# Altium PCB FlatSat.PcbDoc (part 12 of 12)
Units mil, origin at the board's own origin, x right, y up, seen from the top; angles counter-clockwise.
Board outline 4682 x 22047 mil, 4 copper layers (Top Layer, STR GND 1, STR GND 2, Bottom Layer), stack 33.434 mil thick; 381 components, 345 nets, 1605 pads, 1915 vias.
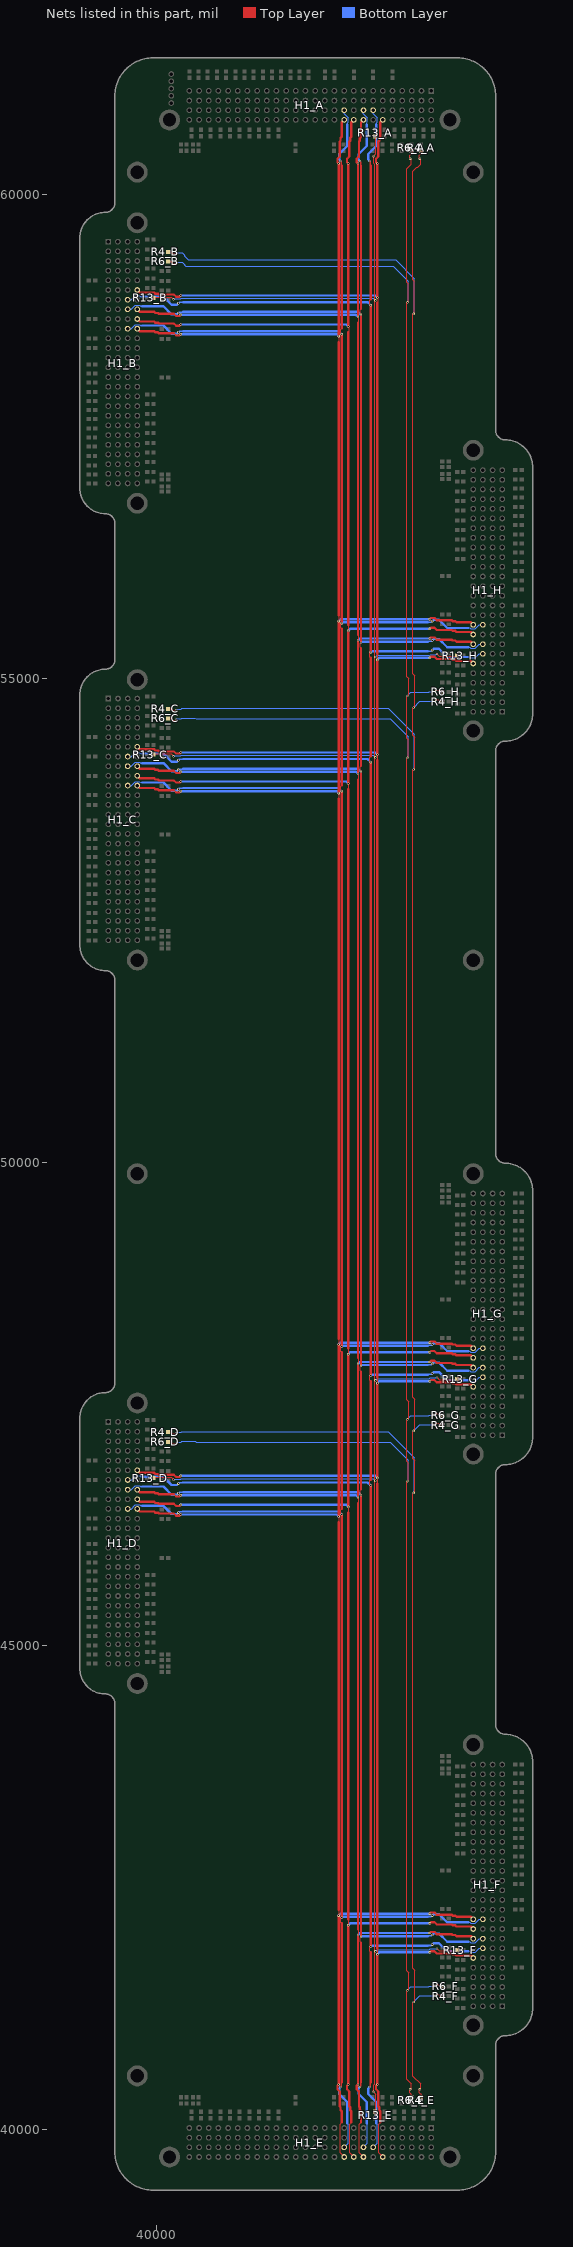
[diagram p14: the nets of this part, all layers, seen from the top]

## Via types
v1: diameter 24, hole 8, Top Layer to Bottom Layer, 1915 vias

## Nets (pads, with @x,y where several pads share a name; then routed paths per layer and width w, separated by ;. In a path a pad name is that pad's centre, name@x,y a point inside that pad or via, vN(x,y) a via of type N, cw(c..) or ccw(c..) an arc to the next point about the centre after c; other vN are vias at no path point) (continued)
SW4_BAT_2SMARD: H1_A.64 H1_B.64 H1_C.64 H1_D.64 H1_E.64 H1_F.64 H1_G.64 H1_H.64 | length 31776.4
  Top Layer w8: 42280,58884.75 42288,58892.75 v1@42288,58932 ; 42312,40069 42295.47,40052.47 42295.47,39753.53 H1_E.64@42337,39712
  Top Layer w12: v1@42279,41808 42286,41815 42286,41862 42280,41868 ; v1@42279,47713 42286,47720 42286,47767 42280,47773 ; v1@42279,55193 42286,55200 42286,55247 42280,55253 ; 42280,46675 42286,46681 42286,46729 v1(42280,46735) ; 42280,54155 42286,54161 42286,54209 v1(42280,54215)
  Top Layer w22: 40177,46766 40200,46743 40236.25,46743 v1@40248.13,46754.87 ; 40177,54246 40200,54223 40236.25,54223 v1@40248.13,54234.87 ; 40177,58971 40200,58948 40236.25,58948 v1@40248.13,58959.87 ; v1@42279.87,40461.13 42268,40449.25 42268,40413 42291,40390 ; v1@42279.87,60325.87 42268,60337.75 42268,60374 42291,60397 ; 42834.75,41840 42871,41840 42894,41817 ; 42834.75,47745 42871,47745 42894,47722 ; 42834.75,55225 42871,55225 42894,55202
  Top Layer w24: H1_D.64@39798,46812 39823,46787 39972,46787 39984,46775 40012.6,46775 40021.6,46766 40177,46766 ; H1_C.64@39798,54292 39823,54267 39972,54267 39984,54255 40012.6,54255 40021.6,54246 40177,54246 ; H1_B.64@39798,59017 39823,58992 39972,58992 39984,58980 40012.6,58980 40021.6,58971 40177,58971 ; v1(42280,40461) 42280,41792 ; 42280,41868 42280,46675 ; v1(42280,46735) v1(42280,47713) ; 42280,47773 42280,54155 ; v1(42280,54215) v1(42280,55193) ; 42280,55253 42280,58884.75 ; v1(42280,58940) v1(42280,60326) ; 42291,40390 42291,40234.6 42300,40225.6 42300,40197 42312,40185 42312,40069 ; 42291,60397 42291,60552.4 42300,60561.4 42300,60590 42312,60602 42312,60751 H1_A.64@42337,60776 ; 42894,41817 43049.4,41817 43058.4,41808 43087,41808 43099,41796 43248,41796 H1_F.64@43273,41771 ; 42894,47722 43049.4,47722 43058.4,47713 43087,47713 43099,47701 43248,47701 H1_G.64@43273,47676 ; 42894,55202 43049.4,55202 43058.4,55193 43087,55193 43099,55181 43248,55181 H1_H.64@43273,55156
  Bottom Layer w24: v1(40248,46755) 42260,46755 v1(42280,46735) ; v1(40248,54235) 42260,54235 v1(42280,54215) ; v1(40248,58960) 42260,58960 v1(42280,58940) ; v1(42280,41808) 42300,41828 v1(42823,41828) ; v1(42280,47713) 42300,47733 v1(42823,47733) ; v1(42280,55193) 42300,55213 v1(42823,55213)
SW5_5V_PL: H1_A.65 H1_B.65 H1_C.65 H1_D.65 H1_E.65 H1_F.65 H1_G.65 H1_H.65 | length 32694.2
  Top Layer w8: 42212,41829 42204,41837 42204,41880 v1(42212,41888) ; v1(42212,46655) 42204,46663 42204,46708 42212,46716 ; 42212,47734 42204,47742 42204,47785 v1(42212,47793) ; v1(42212,54135) 42204,54143 42204,54188 42212,54196 ; 42212,55214 42204,55222 42204,55265 v1(42212,55273) ; v1(42212,58860) 42204,58868 42204,58912 42212,58920
  Top Layer w16: v1(42200,40436) 42209,40445 42209,40475 42212,40478 42212,40483 ; v1(42200,60351) 42209,60342 42209,60312 42212,60309 42212,60304
  Top Layer w24: 42212,40483 42212,41829 ; v1(42212,41888) v1(42212,46655) ; 42212,46716 42212,47734 ; v1(42212,47793) v1(42212,54135) ; 42212,54196 42212,55214 ; v1(42212,55273) v1(42212,58860) ; 42212,58920 42212,60304
  Bottom Layer w8: H1_D.65@39698,46712 39735,46712 39777.53,46754.53 39823.47,46754.53 39833,46745 39848,46745 ; H1_C.65@39698,54192 39735,54192 39777.53,54234.53 39823.47,54234.53 39833,54225 39848,54225 ; H1_B.65@39698,58917 39735,58917 39776.53,58958.53 39824.47,58958.53 39833,58950 39848,58950 ; H1_E.65@42237,39812 42278.53,39853.53 42278.53,40052.47 42270,40061 ; H1_A.65@42237,60876 42237,60839 42278.53,60797.47 42278.53,60749.53 42270,60741 42270,60726 ; 43223,41838 43238,41838 43247.53,41828.47 43293.47,41828.47 43336,41871 H1_F.65@43373,41871 ; 43223,47743 43238,47743 43247.53,47733.47 43293.47,47733.47 43336,47776 H1_G.65@43373,47776 ; 43223,55223 43238,55223 43247.53,55213.47 43293.47,55213.47 43336,55256 H1_H.65@43373,55256
  Bottom Layer w16: v1(40223,46675) 40232,46684 40262,46684 ; v1(40223,54155) 40232,54164 40262,54164 ; v1(40223,58880) 40232,58889 40262,58889 ; 40265,46687 40270,46687 ; 40265,54167 40270,54167 ; 40265,58892 40270,58892 ; 42801,41896 42806,41896 ; 42801,47801 42806,47801 ; 42801,55281 42806,55281 ; 42809,41899 42839,41899 v1(42848,41908) ; 42809,47804 42839,47804 v1(42848,47813) ; 42809,55284 42839,55284 v1(42848,55293)
  Bottom Layer w22: 40208,46660 v1(40223,46675) ; 40208,54140 v1(40223,54155) ; 40208,58865 v1(40223,58880) ; 42185,40421 v1(42200,40436) ; 42185,60366 v1(42200,60351) ; v1(42848,41908) 42863,41923 ; v1(42848,47813) 42863,47828 ; v1(42848,55293) 42863,55308
  Bottom Layer w24: 39848,46745 40068,46745 40153,46660 40208,46660 ; 39848,54225 40068,54225 40153,54140 40208,54140 ; 39848,58950 40068,58950 40153,58865 40208,58865 ; 40270,46687 42180,46687 v1(42212,46655) ; 40270,54167 42180,54167 v1(42212,54135) ; 40270,58892 42180,58892 v1(42212,58860) ; 42185,40421 42185,40366 42270,40281 42270,40061 ; 42185,60366 42185,60421 42270,60506 42270,60726 ; v1(42212,41888) 42220,41896 42801,41896 ; v1(42212,47793) 42220,47801 42801,47801 ; v1(42212,55273) 42220,55281 42801,55281 ; 42863,41923 42918,41923 43003,41838 43223,41838 ; 42863,47828 42918,47828 43003,47743 43223,47743 ; 42863,55308 42918,55308 43003,55223 43223,55223
SW6_5V#1_ADCS: H1_A.67 H1_B.67 H1_C.67 H1_D.67 H1_E.67 H1_F.67 H1_G.67 H1_H.67 | length 32693.2
  Top Layer w8: 42112,41929 42104,41937 42104,41980 v1(42112,41988) ; v1(42112,46555) 42104,46563 42104,46608 42112,46616 ; 42112,47834 42104,47842 42104,47885 v1(42112,47893) ; v1(42112,54035) 42104,54043 42104,54088 42112,54096 ; 42112,55314 42104,55322 42104,55365 v1(42112,55373) ; v1(42112,58760) 42104,58768 42104,58812 42112,58820
  Top Layer w16: v1(42100,40436) 42109,40445 42109,40475 42112,40478 42112,40483 ; v1(42100,60351) 42109,60342 42109,60312 42112,60309 42112,60304
  Top Layer w24: 42112,40483 42112,41929 ; v1(42112,41988) v1(42112,46555) ; 42112,46616 42112,47833 ; v1(42112,47893) v1(42112,54035) ; 42112,54096 42112,55314 ; v1(42112,55373) v1(42112,58760) ; 42112,58820 42112,60304
  Bottom Layer w8: H1_D.67@39698,46612 39735,46612 39777.53,46654.53 39823.47,46654.53 39833,46645 39848,46645 ; H1_C.67@39698,54092 39735,54092 39777.53,54134.53 39823.47,54134.53 39833,54125 39848,54125 ; H1_B.67@39698,58817 39735,58817 39776.53,58858.53 39824.47,58858.53 39833,58850 39848,58850 ; H1_E.67@42137,39812 42178.53,39853.53 42178.53,40052.47 42170,40061 ; H1_A.67@42137,60876 42137,60839 42178.53,60797.47 42178.53,60749.53 42170,60741 42170,60726 ; 43223,41938 43238,41938 43247.53,41928.47 43293.47,41928.47 43336,41971 H1_F.67@43373,41971 ; 43223,47843 43238,47843 43247.53,47833.47 43293.47,47833.47 43336,47876 H1_G.67@43373,47876 ; 43223,55323 43238,55323 43247.53,55313.47 43293.47,55313.47 43336,55356 H1_H.67@43373,55356
  Bottom Layer w16: v1(40223,46575) 40232,46584 40262,46584 ; v1(40223,54055) 40232,54064 40262,54064 ; v1(40223,58780) 40232,58789 40262,58789 ; 40265,46587 40270,46587 ; 40265,54067 40270,54067 ; 40265,58792 40270,58792 ; 42801,41996 42806,41996 ; 42801,47901 42806,47901 ; 42801,55381 42806,55381 ; 42809,41999 42839,41999 v1(42848,42008) ; 42809,47904 42839,47904 v1(42848,47913) ; 42809,55384 42839,55384 v1(42848,55393)
  Bottom Layer w22: 40208,46560 v1(40223,46575) ; 40208,54040 v1(40223,54055) ; 40208,58765 v1(40223,58780) ; 42085,40421 v1(42100,40436) ; 42085,60366 v1(42100,60351) ; v1(42848,42008) 42863,42023 ; v1(42848,47913) 42863,47928 ; v1(42848,55393) 42863,55408
  Bottom Layer w24: 39848,46645 40068,46645 40153,46560 40208,46560 ; 39848,54125 40068,54125 40153,54040 40208,54040 ; 39848,58850 40068,58850 40153,58765 40208,58765 ; 40270,46587 42080,46587 v1(42112,46555) ; 40270,54067 42080,54067 v1(42112,54035) ; 40270,58792 42080,58792 v1(42112,58760) ; 42085,40421 42085,40366 42170,40281 42170,40061 ; 42085,60366 42085,60421 42170,60506 42170,60726 ; v1(42112,41988) 42120,41996 42801,41996 ; v1(42112,47893) 42120,47901 42801,47901 ; v1(42112,55373) 42120,55381 42801,55381 ; 42863,42023 42918,42023 43003,41938 43223,41938 ; 42863,47928 42918,47928 43003,47843 43223,47843 ; 42863,55408 42918,55408 43003,55323 43223,55323
SW7_5V#2_ADCS: H1_A.68 H1_B.68 H1_C.68 H1_D.68 H1_E.68 H1_F.68 H1_G.68 H1_H.68 | length 31851.2
  Top Layer w8: 42112,40069 42095.47,40052.47 42095.47,39753.53 H1_E.68@42137,39712
  Top Layer w12: v1(42080,42008) 42086,42014 42086,42062 42080,42068 ; 42080,46475 42086,46481 42086,46529 v1(42080,46535) ; v1(42080,47913) 42086,47919 42086,47967 42080,47973 ; 42080,53955 42086,53961 42086,54009 v1(42080,54015) ; v1(42080,55393) 42086,55399 42086,55447 42080,55453 ; 42080,58680 42086,58686 42086,58734 v1(42080,58740)
  Top Layer w22: 40177,46566 40200,46543 40236.25,46543 v1@40248.13,46554.87 ; 40177,54046 40200,54023 40236.25,54023 v1@40248.13,54034.87 ; 40177,58771 40200,58748 40236.25,58748 v1@40248.13,58759.87 ; v1@42079.87,40461.13 42068,40449.25 42068,40413 42091,40390 ; v1@42079.87,60325.87 42068,60337.75 42068,60374 42091,60397 ; v1@42822.87,42028.13 42834.75,42040 42871,42040 42894,42017 ; v1@42822.87,47933.13 42834.75,47945 42871,47945 42894,47922 ; v1@42822.87,55413.13 42834.75,55425 42871,55425 42894,55402
  Top Layer w24: H1_D.68@39798,46612 39823,46587 39972,46587 39984,46575 40012.6,46575 40021.6,46566 40177,46566 ; H1_C.68@39798,54092 39823,54067 39972,54067 39984,54055 40012.6,54055 40021.6,54046 40177,54046 ; H1_B.68@39798,58817 39823,58792 39972,58792 39984,58780 40012.6,58780 40021.6,58771 40177,58771 ; v1(42080,40461) v1(42080,42008) ; 42080,42068 42080,46475 ; v1(42080,46535) v1(42080,47913) ; 42080,47973 42080,53955 ; v1(42080,54015) v1(42080,55393) ; 42080,55453 42080,58680 ; v1(42080,58740) v1(42080,60326) ; 42091,40390 42091,40234.6 42100,40225.6 42100,40197 42112,40185 42112,40069 ; 42091,60397 42091,60552.4 42100,60561.4 42100,60590 42112,60602 42112,60751 H1_A.68@42137,60776 ; 42894,42017 43049.4,42017 43058.4,42008 43087,42008 43099,41996 43248,41996 H1_F.68@43273,41971 ; 42894,47922 43049.4,47922 43058.4,47913 43087,47913 43099,47901 43248,47901 H1_G.68@43273,47876 ; 42894,55402 43049.4,55402 43058.4,55393 43087,55393 43099,55381 43248,55381 H1_H.68@43273,55356
  Bottom Layer w24: v1(40248,46555) 42060,46555 v1(42080,46535) ; v1(40248,54035) 42060,54035 v1(42080,54015) ; v1(40248,58760) 42060,58760 v1(42080,58740) ; v1(42080,42008) 42100,42028 v1(42823,42028) ; v1(42080,47913) 42100,47933 v1(42823,47933) ; v1(42080,55393) 42100,55413 v1(42823,55413)
SW8_3V3_THM: H1_A.70 H1_B.70 H1_C.70 H1_D.70 H1_E.70 H1_F.70 H1_G.70 H1_H.70 | length 31841.5
  Top Layer w8: 41980,58580 41988,58588 v1@41988,58632 ; 42012,40069 41995.47,40052.47 41995.47,39753.53 H1_E.70@42037,39712
  Top Layer w12: v1(41980,42108) 41986,42114 41986,42162 41980,42168 ; 41980,46375 41986,46381 41986,46429 v1(41980,46435) ; v1(41980,48013) 41986,48019 41986,48067 41980,48073 ; 41980,53855 41986,53861 41986,53909 v1(41980,53915) ; v1(41980,55493) 41986,55499 41986,55547 41980,55553
  Top Layer w22: 40177,46466 40200,46443 40236.25,46443 v1@40248.13,46454.87 ; 40177,53946 40200,53923 40236.25,53923 v1@40248.13,53934.87 ; 40177,58671 40200,58648 40236.25,58648 v1@40248.13,58659.87 ; v1@41979.87,40461.13 41968,40449.25 41968,40413 41991,40390 ; v1@41979.87,60325.87 41968,60337.75 41968,60374 41991,60397 ; v1@42822.87,42128.13 42834.75,42140 42871,42140 42894,42117 ; v1@42822.87,48033.13 42834.75,48045 42871,48045 42894,48022 ; v1@42822.87,55513.13 42834.75,55525 42871,55525 42894,55502
  Top Layer w24: H1_D.70@39798,46512 39823,46487 39972,46487 39984,46475 40012.6,46475 40021.6,46466 40177,46466 ; H1_C.70@39798,53992 39823,53967 39972,53967 39984,53955 40012.6,53955 40021.6,53946 40177,53946 ; H1_B.70@39798,58717 39823,58692 39972,58692 39984,58680 40012.6,58680 40021.6,58671 40177,58671 ; v1@41979.87,40461.13 41980,40461.25 v1(41980,42108) ; 41980,42168 41980,46375 ; v1(41980,46435) v1(41980,48013) ; 41980,48073 41980,53855 ; v1(41980,53915) v1(41980,55493) ; 41980,55553 41980,58580 ; v1(41980,58640) v1(41980,60326) ; 41991,40390 41991,40234.6 42000,40225.6 42000,40197 42012,40185 42012,40069 ; 41991,60397 41991,60552.4 42000,60561.4 42000,60590 42012,60602 42012,60751 H1_A.70@42037,60776 ; 42894,42117 43049.4,42117 43058.4,42108 43087,42108 43099,42096 43248,42096 H1_F.70@43273,42071 ; 42894,48022 43049.4,48022 43058.4,48013 43087,48013 43099,48001 43248,48001 H1_G.70@43273,47976 ; 42894,55502 43049.4,55502 43058.4,55493 43087,55493 43099,55481 43248,55481 H1_H.70@43273,55456
  Bottom Layer w24: v1(40248,46455) 41960,46455 v1(41980,46435) ; v1(40248,53935) 41960,53935 v1(41980,53915) ; v1(40248,58660) 41960,58660 v1(41980,58640) ; v1(41980,42108) 42000,42128 v1(42823,42128) ; v1(41980,48013) 42000,48033 v1(42823,48033) ; v1(41980,55493) 42000,55513 v1(42823,55513)
  other v1: 41980,40461
SW9_3V3#1_ADCS: H1_A.71 H1_B.71 H1_C.71 H1_D.71 H1_E.71 H1_F.71 H1_G.71 H1_H.71 | length 32694.2
  Top Layer w8: 41912,42128 41904,42136 41904,42180 v1(41912,42188) ; v1(41912,46355) 41904,46363 41904,46407 41912,46415 ; 41912,48033 41904,48041 41904,48085 v1(41912,48093) ; v1(41912,53835) 41904,53843 41904,53887 41912,53895 ; 41912,55513 41904,55521 41904,55565 v1(41912,55573) ; v1(41912,58560) 41904,58568 41904,58612 41912,58620
  Top Layer w16: v1(41900,40436) 41909,40445 41909,40475 41912,40478 41912,40483 ; v1(41900,60351) 41909,60342 41909,60312 41912,60309 41912,60304
  Top Layer w24: 41912,40483 41912,42128 ; v1(41912,42188) v1(41912,46355) ; 41912,46415 41912,48033 ; v1(41912,48093) v1(41912,53835) ; 41912,53895 41912,55513 ; v1(41912,55573) v1(41912,58560) ; 41912,58620 41912,60304
  Bottom Layer w8: H1_D.71@39698,46412 39735,46412 39777.53,46454.53 39823.47,46454.53 39833,46445 39848,46445 ; H1_C.71@39698,53892 39735,53892 39777.53,53934.53 39823.47,53934.53 39833,53925 39848,53925 ; H1_B.71@39698,58617 39735,58617 39776.53,58658.53 39824.47,58658.53 39833,58650 39848,58650 ; H1_E.71@41937,39812 41978.53,39853.53 41978.53,40052.47 41970,40061 ; H1_A.71@41937,60876 41937,60839 41978.53,60797.47 41978.53,60749.53 41970,60741 41970,60726 ; 43223,42138 43238,42138 43247.53,42128.47 43293.47,42128.47 43336,42171 H1_F.71@43373,42171 ; 43223,48043 43238,48043 43247.53,48033.47 43293.47,48033.47 43336,48076 H1_G.71@43373,48076 ; 43223,55523 43238,55523 43247.53,55513.47 43293.47,55513.47 43336,55556 H1_H.71@43373,55556
  Bottom Layer w16: v1(40223,46375) 40232,46384 40262,46384 ; v1(40223,53855) 40232,53864 40262,53864 ; v1(40223,58580) 40232,58589 40262,58589 ; 40265,46387 40270,46387 ; 40265,53867 40270,53867 ; 40265,58592 40270,58592 ; 42801,42196 42806,42196 ; 42801,48101 42806,48101 ; 42801,55581 42806,55581 ; 42809,42199 42839,42199 v1(42848,42208) ; 42809,48104 42839,48104 v1(42848,48113) ; 42809,55584 42839,55584 v1(42848,55593)
  Bottom Layer w22: 40208,46360 v1(40223,46375) ; 40208,53840 v1(40223,53855) ; 40208,58565 v1(40223,58580) ; 41885,40421 v1(41900,40436) ; 41885,60366 v1(41900,60351) ; v1(42848,42208) 42863,42223 ; v1(42848,48113) 42863,48128 ; v1(42848,55593) 42863,55608
  Bottom Layer w24: 39848,46445 40068,46445 40153,46360 40208,46360 ; 39848,53925 40068,53925 40153,53840 40208,53840 ; 39848,58650 40068,58650 40153,58565 40208,58565 ; 40270,46387 41880,46387 v1(41912,46355) ; 40270,53867 41880,53867 v1(41912,53835) ; 40270,58592 41880,58592 v1(41912,58560) ; 41885,40421 41885,40366 41970,40281 41970,40061 ; 41885,60366 41885,60421 41970,60506 41970,60726 ; v1(41912,42188) 41920,42196 42801,42196 ; v1(41912,48093) 41920,48101 42801,48101 ; v1(41912,55573) 41920,55581 42801,55581 ; 42863,42223 42918,42223 43003,42138 43223,42138 ; 42863,48128 42918,48128 43003,48043 43223,48043 ; 42863,55608 42918,55608 43003,55523 43223,55523
SW10_3V3#2_ADCS: H1_A.72 H1_B.72 H1_C.72 H1_D.72 H1_E.72 H1_F.72 H1_G.72 H1_H.72 | length 31852.9
  Top Layer w8: 41880,58480 41888,58488 41888,58532 v1(41880,58540) ; 41912,40069 41895.47,40052.47 41895.47,39753.53 H1_E.72@41937,39712
  Top Layer w12: v1(41880,42208) 41886,42214 41886,42262 41880,42268 ; 41880,46275 41886,46281 41886,46329 v1(41880,46335) ; v1(41880,48113) 41886,48119 41886,48167 41880,48173 ; 41880,53755 41886,53761 41886,53809 v1(41880,53815) ; v1(41880,55593) 41886,55599 41886,55647 41880,55653
  Top Layer w22: 40177,46366 40200,46343 40236.25,46343 v1@40248.13,46354.87 ; 40177,53846 40200,53823 40236.25,53823 v1@40248.13,53834.87 ; 40177,58571 40200,58548 40236.25,58548 v1@40248.13,58559.87 ; v1@41879.87,40461.13 41868,40449.25 41868,40413 41891,40390 ; v1@41879.87,60325.87 41868,60337.75 41868,60374 41891,60397 ; v1@42822.87,42228.13 42834.75,42240 42871,42240 42894,42217 ; v1@42822.87,48133.13 42834.75,48145 42871,48145 42894,48122 ; v1@42822.87,55613.13 42834.75,55625 42871,55625 42894,55602
  Top Layer w24: H1_D.72@39798,46412 39823,46387 39972,46387 39984,46375 40012.6,46375 40021.6,46366 40177,46366 ; H1_C.72@39798,53892 39823,53867 39972,53867 39984,53855 40012.6,53855 40021.6,53846 40177,53846 ; H1_B.72@39798,58617 39823,58592 39972,58592 39984,58580 40012.6,58580 40021.6,58571 40177,58571 ; v1(41880,40461) v1(41880,42208) ; 41880,42268 41880,46275 ; v1(41880,46335) v1(41880,48113) ; 41880,48173 41880,53755 ; v1(41880,53815) v1(41880,55593) ; 41880,55653 41880,58480 ; v1(41880,58540) v1(41880,60326) ; 41891,40390 41891,40234.6 41900,40225.6 41900,40197 41912,40185 41912,40069 ; 41891,60397 41891,60552.4 41900,60561.4 41900,60590 41912,60602 41912,60751 H1_A.72@41937,60776 ; 42894,42217 43049.4,42217 43058.4,42208 43087,42208 43099,42196 43248,42196 H1_F.72@43273,42171 ; 42894,48122 43049.4,48122 43058.4,48113 43087,48113 43099,48101 43248,48101 H1_G.72@43273,48076 ; 42894,55602 43049.4,55602 43058.4,55593 43087,55593 43099,55581 43248,55581 H1_H.72@43273,55556
  Bottom Layer w24: v1(40248,46355) 41860,46355 v1(41880,46335) ; v1(40248,53835) 41860,53835 v1(41880,53815) ; v1(40248,58560) 41860,58560 v1(41880,58540) ; v1(41880,42208) 41900,42228 v1(42823,42228) ; v1(41880,48113) 41900,48133 v1(42823,48133) ; v1(41880,55593) 41900,55613 v1(42823,55613)
THERMAL_DQ: R13_A.1 R13_B.1 R13_C.1 R13_D.1 R13_E.1 R13_F.1 R13_G.1 R13_H.1 | length 30083.6
  Top Layer w8: R13_D.1@39965.48,46732 39965.48,46739.67 40148.33,46739.67 v1(40173,46715) ; R13_C.1@39965.48,54212 39965.48,54219.67 40148.33,54219.67 v1(40173,54195) ; R13_B.1@39965.48,58937 39965.48,58944.67 40148.33,58944.67 v1(40173,58920) ; R13_E.1@42257,40178.48 42264.67,40178.48 42264.67,40361.33 v1(42240,40386) 42240,40395 42245,40400 42245,40458.78 42253,40466.78 42253,60320.22 42245,60328.22 42245,60387 42240,60392 v1(42240,60401) 42264.67,60425.67 42264.67,60608.52 R13_A.1@42257,60608.52 ; v1(42898,41868) 42922.67,41843.33 43105.52,41843.33 R13_F.1@43105.52,41851 ; v1(42898,47773) 42922.67,47748.33 43105.52,47748.33 R13_G.1@43105.52,47756 ; v1(42898,55253) 42922.67,55228.33 43105.52,55228.33 R13_H.1@43105.52,55236
  Bottom Layer w8: v1(40173,46715) 40182,46715 40187,46720 40245.78,46720 40252.78,46727 42238,46727 v1(42260,46705) ; v1(40173,54195) 40182,54195 40187,54200 40245.78,54200 40252.78,54207 42238,54207 v1(42260,54185) ; v1(40173,58920) 40182,58920 40187,58925 40245.78,58925 40252.78,58932 42238,58932 v1(42260,58910) ; v1(42260,41838) 42278,41856 42818.22,41856 42825.22,41863 42884,41863 42889,41868 v1(42898,41868) ; v1(42260,47743) 42278,47761 42818.22,47761 42825.22,47768 42884,47768 42889,47773 v1(42898,47773) ; v1(42260,55223) 42278,55241 42818.22,55241 42825.22,55248 42884,55248 42889,55253 v1(42898,55253)
UART_CDH_RX: R4_A.2 R4_B.2 R4_C.2 R4_D.2 R4_E.2 R4_F.2 R4_G.2 R4_H.2 | length 30440.3
  Top Layer w8: R4_D.2@40117.15,47207 R4_D.2@40117.48,47207 40146,47207 40163,47190 40193,47190 v1(40198,47195) ; R4_C.2@40117.15,54687 R4_C.2@40117.48,54687 40146,54687 40163,54670 40193,54670 v1(40198,54675) ; R4_B.2@40117.15,59412 R4_B.2@40117.48,59412 40146,59412 40163,59395 40193,59395 v1(40198,59400) ; v1(42656,58770) 42648,58770 42648,55046.96 42667.25,55027.71 42667.25,54711.25 v1(42656,54700) 42648,54692 42648,54412 42665,54395 42665,54069 v1(42656,54060) 42648,54052 42648,47566.96 42667.25,47547.71 42667.25,47231.25 v1(42656,47220) 42648,47212 42648,46932 42665,46915 42665,46589 v1(42656,46580) 42648,46572 42648,41661.96 42667.25,41642.71 42667.25,41326.25 v1(42656,41315) 42648,41307 42648,40549.57 42729,40468.57 42729,40420 v1(42720,40411) 42715,40406 42715,40376 42732,40359 R4_E.2@42732,40330.48 ; v1@42664,58770 42664,59106.02 42648,59122.02 42648,60244.12 42689.88,60286 42696.57,60286 42729,60318.43 42729,60367 v1(42720,60376) 42715,60381 42715,60411 42732,60428 R4_A.2@42732,60456.52 R4_A.2@42732,60456.85 ; v1(42873,41388) 42878,41393 42908,41393 42925,41376 R4_F.2@42953.52,41376 R4_F.2@42953.85,41376 ; v1(42873,47293) 42878,47298 42908,47298 42925,47281 R4_G.2@42953.52,47281 R4_G.2@42953.85,47281 ; v1(42873,54773) 42878,54778 42908,54778 42925,54761 R4_H.2@42953.52,54761 R4_H.2@42953.85,54761
  Bottom Layer w8: v1(40198,47195) 40207,47204 40252.41,47204 40259.41,47211 42395.65,47211 42664,46942.65 42664,46591 v1@42655,46582 ; v1(40198,54675) 40207,54684 40252.41,54684 40259.41,54691 42395.65,54691 42664,54422.65 42664,54071 v1@42655,54062 ; v1(40198,59400) 40202,59404 40260.57,59404 40288,59376.57 40288,59367.08 40327.08,59328 42469.59,59328 42664,59133.59 v1@42664,58770 ; v1(42656,41315) 42720,41379 42864,41379 v1(42873,41388) ; v1(42656,47220) 42720,47284 42864,47284 v1(42873,47293) ; v1(42656,54700) 42720,54764 42864,54764 v1(42873,54773)
UART_CDH_TX: R6_A.2 R6_B.2 R6_C.2 R6_D.2 R6_E.2 R6_F.2 R6_G.2 R6_H.2 | length 29833.5
  Top Layer w8: R6_B.2@40117.15,59312 R6_B.2@40117.48,59312 40146,59312 40163,59295 40193,59295 v1(40198,59300) ; R6_D.2@40117.48,47107 40146,47107 40163,47090 40193,47090 v1(40198,47095) ; R6_C.2@40117.48,54587 40146,54587 40163,54570 40193,54570 v1(40198,54575) ; v1(42592,58890) 42584,58890 42584,55020.45 42603.25,55001.2 42603.25,54831.25 v1(42592,54820) 42584,54812 42584,54383.75 42601,54366.75 42601,54189 42584,54172 42584,47540.45 42603.25,47521.2 42603.25,47351.25 v1(42592,47340) 42584,47332 42584,46903.75 42601,46886.75 42601,46709 42584,46692 42584,41635.45 42603.25,41616.2 42603.25,41446.25 v1(42592,41435) 42584,41427 42584,40514.88 42629,40469.88 42629,40420 v1(42620,40411) 42615,40406 42615,40376 42632,40359 R6_E.2@42632,40330.48 ; v1@42600,58890 42600,59079.51 42584,59095.51 42584,60272.12 42629,60317.12 42629,60367 v1(42620,60376) 42615,60381 42615,60411 42632,60428 R6_A.2@42632,60456.52 R6_A.2@42632,60456.85 ; v1(42873,41488) 42878,41493 42908,41493 42925,41476 R6_F.2@42953.52,41476 R6_F.2@42953.85,41476 ; v1(42873,47393) 42878,47398 42908,47398 42925,47381 R6_G.2@42953.52,47381 R6_G.2@42953.85,47381 ; v1(42873,54873) 42878,54878 42908,54878 42925,54861 R6_H.2@42953.52,54861 R6_H.2@42953.85,54861
  Bottom Layer w8: v1(40198,47095) 40207,47104 40252.41,47104 40259.41,47111 40398,47111 40406,47103 42413.14,47103 42600,46916.14 v1@42600,46704 ; v1(40198,54575) 40207,54584 40252.41,54584 40259.41,54591 40398,54591 40406,54583 42413.14,54583 42600,54396.14 v1@42600,54184 ; v1(40198,59300) 40202,59304 40260.57,59304 40288,59276.57 40288,59274.63 40298.63,59264 42443.08,59264 42600,59107.08 42600,58891 v1@42599,58890 ; v1@42592,41436 42628,41472 42811.59,41472 42818.59,41479 42864,41479 v1(42873,41488) ; v1@42592,47341 42628,47377 42811.59,47377 42818.59,47384 42864,47384 v1(42873,47393) ; v1@42592,54821 42628,54857 42811.59,54857 42818.59,54864 42864,54864 v1(42873,54873)
  other v1: 42592,46700 42592,54180

## Polygon pours and split planes (outlines as drawn)
STR_GND_A on STR GND 1 "STR GND 1 Plane " (solid, remove dead copper, pour order 2): 39205,61417.32 39205,39370.08 43887,39370.08 43887,61417
STR_GND_A on STR GND 2 "STR GND 2 Plane " (solid, remove dead copper, pour order 4): 39205,61417 43887,61417 43887,39370 39205,39370 39205,61417

## Silkscreen, mask and mechanical layers (free items; w line width, h text height)
Top Overlay:
  drawing of 46 lines, arcs and shapes, not listed
  text "SPI End / Termination" at 39900,61325 h60 r270
  text "51" at 40202,60664 h50 r270
  text "52" at 40155,60584 h50 r270
  text "103" at 40110,60486 h50 r270
  text "1" at 42935,60412 h47 r270
  text "2" at 42896,60364 h47 r270
  text "104" at 40059,60353 h50 r270
  text "49" at 40404,60314 h47 r270
  text "53" at 42854,60306 h47 r270
  text "47" at 40492,60283 h47 r270
  text "45" at 40592,60283 h47 r270
  text "43" at 40692,60283 h47 r270
  text "41" at 40792,60283 h47 r270
  text "39" at 40892,60283 h47 r270
  text "37" at 40992,60283 h47 r270
  text "35" at 41092,60283 h47 r270
  text "33" at 41192,60283 h47 r270
  text "31" at 41292,60283 h47 r270
  text "29" at 41392,60283 h47 r270
  text "27" at 41492,60283 h47 r270
  text "25" at 41592,60283 h47 r270
  text "23" at 41692,60283 h47 r270
  text "21" at 41792,60283 h47 r270
  text "19" at 41892,60283 h47 r270
  text "17" at 41992,60283 h47 r270
  text "15" at 42092,60283 h47 r270
  text "13" at 42192,60283 h47 r270
  text "11" at 42292,60283 h47 r270
  text "9" at 42392,60283 h47 r270
  text "7" at 42492,60283 h47 r270
  text "5" at 42592,60283 h47 r270
  text "3" at 42692,60283 h47 r270
  text "54" at 42785,60243 h47 r270
  text "EPS" at 41501,60043 h90
  text "1" at 40162,59615 h47
  text "2" at 40210,59576 h47
  text "53" at 40268,59534 h47
  text "54" at 40331,59465 h47
  text "3" at 40291,59372 h47
  text "5" at 40291,59272 h47
  text "7" at 40291,59172 h47
  text "9" at 40291,59072 h47
  text "11" at 40291,58972 h47
  text "13" at 40291,58872 h47
  text "15" at 40291,58772 h47
  text "17" at 40291,58672 h47
  text "19" at 40291,58572 h47
  text "21" at 40291,58472 h47
  text "23" at 40291,58372 h47
  text "25" at 40291,58272 h47
  text "FlatSat PCB Halve 1 rev. 1 / 2016-12-11 MOVE-II / WARR LRT Jonis Kiesbye / Redmine Wiki:  /FlatSat" at 43350,58200 h60 r90
  text "27" at 40291,58172 h47
  text "29" at 40291,58072 h47
  text "31" at 40291,57972 h47
  text "Reserve" at 40524,57961 h90 r90
  text "33" at 40291,57872 h47
  text "35" at 40291,57772 h47
  text "37" at 40291,57672 h47
  text "39" at 40291,57572 h47
  text "41" at 40291,57472 h47
  text "43" at 40291,57372 h47
  text "104" at 42709,57356 h50
  text "103" at 42846,57317 h50
  text "52" at 42988,57287 h50
  text "45" at 40291,57272 h47
  text "51" at 43090,57243 h50
  text "47" at 40291,57172 h47
  text "49" at 40260,57084 h47
  text "49" at 42704,57082 h47
  text "47" at 42701,56995 h47
  text "45" at 42701,56895 h47
  text "51" at 39910,56882 h50
  text "52" at 39990,56835 h50
  text "43" at 42701,56795 h47
  text "103" at 40088,56790 h50
  text "104" at 40221,56739 h50
  text "41" at 42701,56695 h47
  text "39" at 42701,56595 h47
  text "37" at 42701,56495 h47
  text "35" at 42701,56395 h47
  text "33" at 42701,56295 h47
  text "Toppanel" at 42468,56206 h90 r270
  text "31" at 42701,56195 h47
  text "29" at 42701,56095 h47
  text "27" at 42701,55995 h47
  text "25" at 42701,55895 h47
  text "23" at 42701,55795 h47
  text "21" at 42701,55695 h47
  text "19" at 42701,55595 h47
  text "17" at 42701,55495 h47
  text "15" at 42701,55395 h47
  text "13" at 42701,55295 h47
  text "11" at 42711,55195 h47
  text "9" at 42727,55095 h47
  text "7" at 42726,54995 h47
  text "5" at 42723,54895 h47
  text "1" at 40162,54890 h47
  text "2" at 40210,54851 h47
  text "53" at 40268,54809 h47
  text "3" at 42721,54798 h47
  text "54" at 40331,54740 h47
  text "54" at 42710,54655 h47
  text "3" at 40291,54647 h47
  text "53" at 42752,54589 h47
  text "2" at 42844,54556 h47
  text "5" at 40291,54547 h47
  text "1" at 42896,54527 h47
  text "7" at 40291,54447 h47
  text "9" at 40291,54347 h47
  text "11" at 40291,54247 h47
  text "13" at 40291,54147 h47
  text "15" at 40291,54047 h47
  text "17" at 40291,53947 h47
  text "19" at 40291,53847 h47
  text "21" at 40291,53747 h47
  text "23" at 40291,53647 h47
  text "25" at 40291,53547 h47
  text "27" at 40291,53447 h47
  text "29" at 40291,53347 h47
  text "31" at 40291,53247 h47
  text "UHF/VHF" at 40524,53236 h90 r90
  text "33" at 40291,53147 h47
  text "35" at 40291,53047 h47
  text "37" at 40291,52947 h47
  text "39" at 40291,52847 h47
  text "41" at 40291,52747 h47
  text "43" at 40291,52647 h47
  text "45" at 40291,52547 h47
  text "47" at 40291,52447 h47
  text "49" at 40260,52359 h47
  text "51" at 39910,52157 h50
  text "52" at 39990,52110 h50
  text "103" at 40088,52065 h50
  text "104" at 40221,52014 h50
  text "104" at 42709,49876 h50
  text "103" at 42846,49837 h50
  text "52" at 42988,49807 h50
  text "51" at 43090,49763 h50
  text "49" at 42704,49602 h47
  text "47" at 42701,49515 h47
  text "45" at 42701,49415 h47
  text "43" at 42701,49315 h47
  text "41" at 42701,49215 h47
  text "39" at 42701,49115 h47
  text "37" at 42701,49015 h47
  text "35" at 42701,48915 h47
  text "33" at 42701,48815 h47
  text "31" at 42701,48715 h47
  text "29" at 42701,48615 h47
  text "CDH" at 42479,48608 h90 r270
  text "27" at 42701,48515 h47
  text "25" at 42701,48415 h47
  text "23" at 42701,48315 h47
  text "21" at 42701,48215 h47
  text "19" at 42701,48115 h47
  text "17" at 42701,48015 h47
  text "15" at 42701,47915 h47
  text "13" at 42701,47815 h47
  text "11" at 42711,47715 h47
  text "9" at 42727,47615 h47
  text "7" at 42726,47515 h47
  text "5" at 42723,47415 h47
  text "1" at 40162,47410 h47
  text "2" at 40210,47371 h47
  text "53" at 40268,47329 h47
  text "3" at 42721,47318 h47
  text "54" at 40331,47260 h47
  text "54" at 42710,47175 h47
  text "3" at 40291,47167 h47
  text "53" at 42752,47109 h47
  text "2" at 42844,47076 h47
  text "5" at 40291,47067 h47
  text "1" at 42896,47047 h47
  text "7" at 40291,46967 h47
  text "9" at 40291,46867 h47
  text "11" at 40291,46767 h47
  text "13" at 40291,46667 h47
  text "15" at 40291,46567 h47
  text "17" at 40291,46467 h47
  text "19" at 40291,46367 h47
  text "21" at 40291,46267 h47
  text "23" at 40291,46167 h47
  text "25" at 40291,46067 h47
  text "27" at 40291,45967 h47
  text "29" at 40291,45867 h47
  text "31" at 40291,45767 h47
  text "ADCS" at 40524,45756 h90 r90
  text "33" at 40291,45667 h47
  text "35" at 40291,45567 h47
  text "37" at 40291,45467 h47
  text "39" at 40291,45367 h47
  text "41" at 40291,45267 h47
  text "43" at 40291,45167 h47
  text "45" at 40291,45067 h47
  text "47" at 40291,44967 h47
  text "49" at 40260,44879 h47
  text "FlatSat PCB Halve 2 rev. 1 / 2016-12-11 MOVE-II / WARR LRT Jonis Kiesbye / Redmine Wiki:  /FlatSat" at 43350,44750 h60 r90
  text "51" at 39910,44677 h50
  text "52" at 39990,44630 h50
  text "103" at 40088,44585 h50
  text "104" at 40221,44534 h50
  text "104" at 42709,43971 h50
  text "103" at 42846,43932 h50
  text "52" at 42988,43902 h50
  text "51" at 43090,43858 h50
  text "49" at 42704,43697 h47
  text "47" at 42701,43610 h47
  text "45" at 42701,43510 h47
  text "43" at 42701,43410 h47
  text "41" at 42701,43310 h47
  text "39" at 42701,43210 h47
  text "37" at 42701,43110 h47
  text "35" at 42701,43010 h47
  text "33" at 42701,42910 h47
  text "S-Band" at 42468,42821 h90 r270
  text "31" at 42701,42810 h47
  text "29" at 42701,42710 h47
  text "27" at 42701,42610 h47
  text "25" at 42701,42510 h47
  text "23" at 42701,42410 h47
  text "21" at 42701,42310 h47
  text "19" at 42701,42210 h47
  text "17" at 42701,42110 h47
  text "15" at 42701,42010 h47
  text "13" at 42701,41910 h47
  text "11" at 42711,41810 h47
  text "9" at 42727,41710 h47
  text "7" at 42726,41610 h47
  text "5" at 42723,41510 h47
  text "3" at 42721,41413 h47
  text "54" at 42710,41270 h47
  text "53" at 42752,41204 h47
  text "2" at 42844,41171 h47
  text "1" at 42896,41142 h47
  text "1 PAYLOAD SS1 /   3 PAYLOAD SS2 /   5 PAYLOAD SS3 /   7 PAYLOAD SS4 /   9 PAYLOAD SS5 /  11 ADCS SS1 /  13 THERMAL DQ /  15 GPIO Reserve /  17 GPIO Reserve /  19 GPIO Reserve /  21 GPIO Reserve /  23 GPIO Reserve /  25 GPIO Reserve /  27 GPIO Reserve /  29 GPIO Reserve /  31 GPIO Reserve /  33 COM SBAND SS /  35 COM UHF/VHF SS /  37 COM SBAND INT /  39 COM UHF/VHF INT /  41 I2C DATA /  43 I2C CLK /  45 GND /  47 MISO /  49 MOSI /  51 SPI CLK" at 39616,40727 h60
  text "2 Reserve /   4 UART CDH /   6 UART CDH /   8 ADCS PDI /  10 ADCS PDI /  12 PWM2SMARD A /  14 PWM2SMARD B /  16 2SMARDsens A /  18 2SMARDsens B /  20 Toppanel PDI CLK /  22 Toppanel PDI DATA /  24 Reserve /  26 Reserve /  28 Reserve /  30 HCU /  32 5V USB CHG /  34 Reserve LF /  36 Reserve LF /  38 Reserve LF /  40 GND /  42 GND /  44 GND /  46 GND /  48 GND /  50 GND /  52 GND" at 40216,40727 h60
  text "53 Reserve /  55 Reserve /  57 Reserve /  59 Reserve /  61 GND /  63 SW3/BAT 2SMARD /  65 SW5/5V PL /  67 SW6/5V ADCS 5V#1 /  69 GND /  71 SW9/3V3 ADCS 3V3#1 /  73 GND /  75 12V Bus /  77 5V Bus /  79 3V3 Bus /  81 GND /  83 GND /  85 BAT POS /  87 PCM IN /  89 RBF SW /  91 SEP SW1 /  93 BCR OUT /  95 BCR OUT /  97 BatV Bus /  99 GND / 101 ADCS MISO / 103 ADCS MOSI" at 40916,40727 h60
  text "54 Reserve /  56 Reserve /  58 Reserve /  60 SW1/12V SBAND /  62 SW2/12V /  64 SW4/BAT 2SMARD /  66 GND /  68 SW7/5V ADCS 5V#2 /  70 SW8/3V3 /  72 SW10/3V3 ADCS 3V3#2 /  74 GND /  76 12V Bus /  78 5V Bus /  80 3V3 Bus /  82 GND /  84 GND /  86 BAT POS /  88 PCM IN /  90 RBF SW /  92 SEP SW2 /  94 BCR OUT /  96 BCR OUT /  98 BatV Bus / 100 GND / 102 ADCS CS / 104 ADCS SCLK" at 41616,40727 h60
  text "104" at 40093,40613 h50 r270
  text "54" at 42815,40578 h47 r270
  text "49" at 40393,40577 h47 r270
  text "47" at 40480,40577 h47 r270
  text "45" at 40580,40577 h47 r270
  text "43" at 40680,40577 h47 r270
  text "41" at 40780,40577 h47 r270
  text "39" at 40880,40577 h47 r270
  text "37" at 40980,40577 h47 r270
  text "35" at 41080,40577 h47 r270
  text "33" at 41180,40577 h47 r270
  text "31" at 41280,40577 h47 r270
  text "29" at 41380,40577 h47 r270
  text "27" at 41480,40577 h47 r270
  text "25" at 41580,40577 h47 r270
  text "23" at 41680,40577 h47 r270
  text "21" at 41780,40577 h47 r270
  text "19" at 41880,40577 h47 r270
  text "17" at 41980,40577 h47 r270
  text "15" at 42080,40577 h47 r270
  text "13" at 42180,40577 h47 r270
  text "11" at 42279,40568 h47 r270
  text "9" at 42380,40546 h47 r270
  text "5" at 42580,40546 h47 r270
  text "3" at 42681,40545 h47 r270
  text "7" at 42480,40543 h47 r270
  text "53" at 42876,40528 h47 r270
  text "103" at 40130,40479 h50 r270
  text "2" at 42905,40432 h47 r270
  text "1" at 42934,40373 h47 r270
  text "52" at 40164,40331 h50 r270
  text "51" at 40194,40222 h50 r270
  text "Monitor" at 41302,39530 h90
Mechanical 1:
  the board outline again, w10

## Dimensions
40000,50925 to 40000,51025 on Top Overlay
40000,51200 to 40000,50750 on Top Overlay

## Text inside footprints (layer, text, board x,y; h text height)
H1_A: Top Overlay "1" at 42957.03,61101 h60 r180
H1_B: Top Overlay "1" at 39473,59637.03 h60 r270
H1_C: Top Overlay "1" at 39474,54913.03 h60 r270
H1_D: Top Overlay "1" at 39474,47433.03 h60 r270
H1_E: Top Overlay "1" at 42957.03,40037 h60 r180
H1_F: Top Overlay "1" at 43597,41149.97 h60 r90
H1_G: Top Overlay "1" at 43597,47054.97 h60 r90
H1_H: Top Overlay "1" at 43597,54534.97 h60 r90